# Altium PCB BLDC_DRIVER_auto_router.PcbDoc (part 3 of 3)
Units mil, origin at the board's own origin, x right, y up, seen from the top; angles counter-clockwise.
Board outline 6000 x 4000 mil, 4 copper layers (Top Layer, Signal Layer 1, Signal Layer 2, Bottom Layer), stack 33.334 mil thick; 189 components, 186 nets, 846 pads, 350 vias.
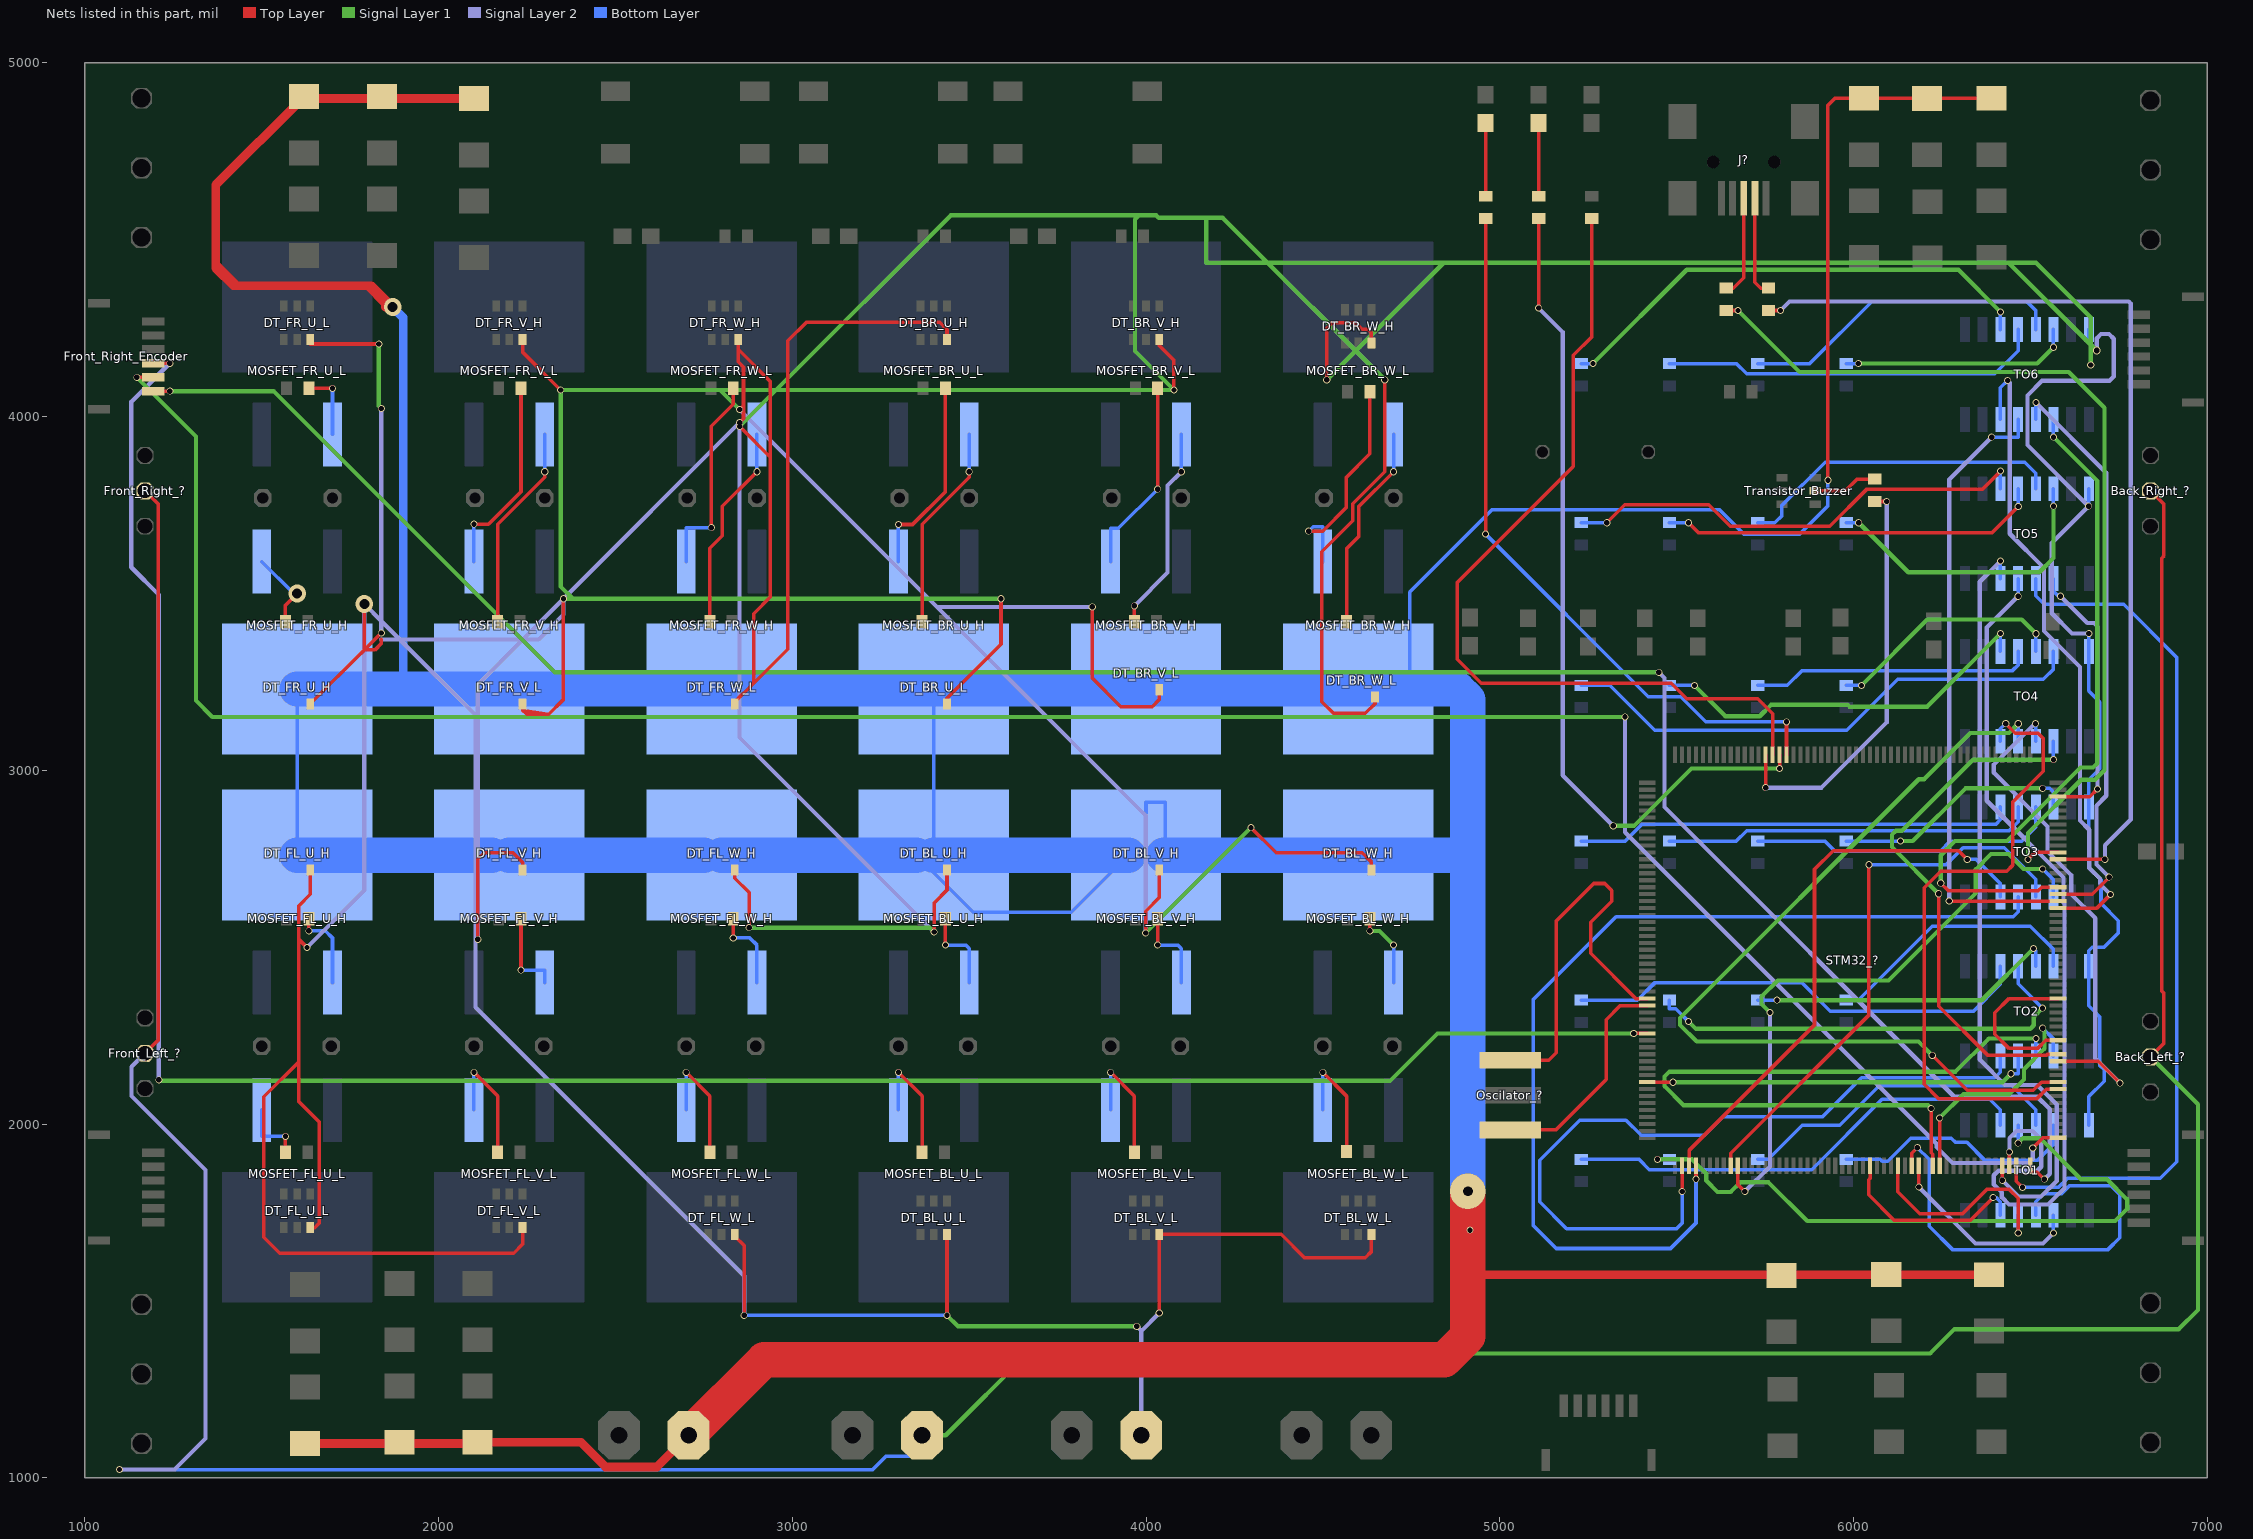
[diagram p5: the nets of this part, all layers, seen from the top]

## Via types
v1: diameter 20, hole 15, Top Layer to Bottom Layer, 335 vias
v2: diameter 100, hole 28, Top Layer to Bottom Layer, 7 vias
v3: diameter 50, hole 28, Top Layer to Bottom Layer, 5 vias
v4: diameter 28, hole 28, Top Layer to Bottom Layer, 3 vias

## Nets (pads, with @x,y where several pads share a name; then routed paths per layer and width w, separated by ;. In a path a pad name is that pad's centre, name@x,y a point inside that pad or via, vN(x,y) a via of type N, cw(c..) or ccw(c..) an arc to the next point about the centre after c; other vN are vias at no path point) (continued)
NetFront_Right_Encoder_4: Front_Right_Encoder.4 STM32_?.37 | length 6414.6
  Top Layer w10: Front_Right_Encoder.4@1193.54,4150.71 v1(1240,4150.71) ; v1(5379,2256) 5379.22,2256.22 STM32_?.37@5417.17,2256.22
  Signal Layer 1 w12: v1(1209,2125) 1212,2122 4690,2122 4824,2256 v1(5379,2256)
  Signal Layer 2 w12: v1(1209,2125) 1209,3496 1131,3574 1131,4041.71 v1(1240,4150.71)
NetFront_Right_Encoder_5: Front_Right_Encoder.5 STM32_?.105 | length 7079
  Top Layer w10: v1(1147,4111) 1147.34,4111.34 Front_Right_Encoder.5@1193.54,4111.34 ; v1(6507,1932) 6535.94,1960.94 STM32_?.105@6578.58,1960.94
  Signal Layer 1 w12: v1(1147,4111) 1314,3944 1314,3197 1360,3151 v1(5354,3151)
  Signal Layer 2 w12: v1(5354,3151) 5354,2825 6235,1944 6235,1935 6280,1890 6495,1890 6507,1902 v1(6507,1932)
NetFront_Right_Encoder_6: Front_Right_Encoder.6 STM32_?.104 | length 6687
  Top Layer w10: Front_Right_Encoder.6@1193.54,4071.97 v1(1240.03,4072) ; STM32_?.104@6499.84,1882.2 6499.84,1864 6520,1864 v1(6540,1844)
  Signal Layer 1 w12: v1(1240.03,4072) 1533.62,4072 2328.62,3277 v1(5450,3277)
  Signal Layer 2 w12: v1(5450,3277) 5466,3261 5466,2896 6285,2077 6520,2077 6555,2042 6555,1859 v1(6540,1844)
NetG_1: G.1 R180_LED_G.2 | length 207
  Top Layer w10: R180_LED_G.2@5110,4623 G.1@5110,4830
NetJ?_2: J?.2 R22_D-.2 | length 283
  Top Layer w10: J?.2@5721.5,4617.44 5721.5,4380 5738.5,4363 R22_D-.2@5760,4363
NetJ?_3: J?.3 R22_D+.2 | length 286.9
  Top Layer w10: R22_D+.2@5640,4363 5660,4363 5690,4393 J?.3@5690,4617.44
NetMOSFET_BL_U_H_G: MOSFET_BL_U_H.G R_BL_U_H.2 | length 241.1
  Top Layer w10: v1(3433,2506) R_BL_U_H.2@3433,2580
  Bottom Layer w10: v1(3433,2506) 3490,2506 3500,2496 MOSFET_BL_U_H.G@3500,2400
NetMOSFET_BL_U_L_G: MOSFET_BL_U_L.G R_BL_U_L.2 | length 359.8
  Top Layer w10: v1(3300,2146) 3367,2079 R_BL_U_L.2@3367,1920
  Bottom Layer w10: MOSFET_BL_U_L.G@3300,2040 v1(3300,2146)
NetMOSFET_BL_V_H_G: MOSFET_BL_V_H.G R_BL_V_H.2 | length 241.1
  Top Layer w10: v1(4033,2506) R_BL_V_H.2@4033,2580
  Bottom Layer w10: v1(4033,2506) 4090,2506 4100,2496 MOSFET_BL_V_H.G@4100,2400
NetMOSFET_BL_V_L_G: MOSFET_BL_V_L.G R_BL_V_L.2 | length 359.8
  Top Layer w10: v1(3900,2146) 3967,2079 R_BL_V_L.2@3967,1920
  Bottom Layer w10: MOSFET_BL_V_L.G@3900,2040 v1(3900,2146)
NetMOSFET_BL_W_H_G: MOSFET_BL_W_H.G R_BL_W_H.2 | length 223.6
  Top Layer w10: v1(4633,2546) R_BL_W_H.2@4633,2580
  Signal Layer 1 w12: v1(4633,2546) 4660,2546 v1(4700,2506)
  Bottom Layer w10: MOSFET_BL_W_H.G@4700,2400 v1(4700,2506)
NetMOSFET_BL_W_L_G: MOSFET_BL_W_L.G R_BL_W_L.2 | length 357.5
  Top Layer w10: v1(4500,2146) 4567,2079 R_BL_W_L.2@4567,1922.28
  Bottom Layer w10: MOSFET_BL_W_L.G@4500,2040 v1(4500,2146)
NetMOSFET_BR_U_H_G: MOSFET_BR_U_H.G R_BR_U_H.2 | length 568.5
  Top Layer w10: v1(3300,3695) 3340,3695 3433,3788 R_BR_U_H.2@3433,4080
  Bottom Layer w10: MOSFET_BR_U_H.G@3300,3590 v1(3300,3695)
NetMOSFET_BR_U_L_G: MOSFET_BR_U_L.G R_BR_U_L.2 | length 585.1
  Top Layer w10: R_BR_U_L.2@3367,3420 3367,3696 3500,3829 v1(3500,3844)
  Bottom Layer w10: v1(3500,3844) MOSFET_BR_U_L.G@3500,3950
NetMOSFET_BR_V_H_G: MOSFET_BR_V_H.G R_BR_V_H.2 | length 558
  Top Layer w10: v1(4033,3795) R_BR_V_H.2@4033,4080
  Bottom Layer w10: MOSFET_BR_V_H.G@3900,3590 3900,3684 3922,3684 v1(4033,3795)
NetMOSFET_BR_V_L_G: MOSFET_BR_V_L.G R_BR_V_L.2 | length 585.1
  Top Layer w10: R_BR_V_L.2@3967,3420 v1(3967,3465)
  Signal Layer 2 w12: v1(3967,3465) 4061,3559 4061,3805 v1(4100,3844)
  Bottom Layer w10: v1(4100,3844) MOSFET_BR_V_L.G@4100,3950
NetMOSFET_BR_W_H_G: MOSFET_BR_W_H.G R_BR_W_H.2 | length 633
  Top Layer w10: v1(4460,3676) 4499.27,3676 4566.15,3742.88 4566.15,3828 4633,3894.85 R_BR_W_H.2@4633,4070
  Bottom Layer w10: v1(4460,3676) 4473,3689 4500,3689 MOSFET_BR_W_H.G@4500,3590
NetMOSFET_BR_W_L_G: MOSFET_BR_W_L.G R_BR_W_L.2 | length 585.1
  Top Layer w10: R_BR_W_L.2@4567,3420 4567,3626.85 4602.15,3662 4602.15,3746.15 v1(4700,3844)
  Bottom Layer w10: v1(4700,3844) MOSFET_BR_W_L.G@4700,3950
NetMOSFET_FL_U_H_G: MOSFET_FL_U_H.G R_FL_U_H.2 | length 235.3
  Top Layer w10: v1(1633,2546) R_FL_U_H.2@1633,2580
  Bottom Layer w10: v1(1633,2546) 1680,2546 1700,2526 MOSFET_FL_U_H.G@1700,2400
NetMOSFET_FL_U_L_G: MOSFET_FL_U_L.G R_FL_U_L.2 | length 187
  Top Layer w10: R_FL_U_L.2@1567,1920 v1(1567,1965)
  Bottom Layer w10: MOSFET_FL_U_L.G@1500,2040 1500,1965 v1(1567,1965)
NetMOSFET_FL_V_H_G: MOSFET_FL_V_H.G R_FL_V_H.2 | length 247
  Top Layer w10: v1(2233,2435) R_FL_V_H.2@2233,2580
  Bottom Layer w10: v1(2233,2435) 2300,2435 MOSFET_FL_V_H.G@2300,2400
NetMOSFET_FL_V_L_G: MOSFET_FL_V_L.G R_FL_V_L.2 | length 359.8
  Top Layer w10: v1(2100,2146) 2167,2079 R_FL_V_L.2@2167,1920
  Bottom Layer w10: MOSFET_FL_V_L.G@2100,2040 v1(2100,2146)
NetMOSFET_FL_W_H_G: MOSFET_FL_W_H.G R_FL_W_H.2 | length 235.3
  Top Layer w10: v1(2833,2526) R_FL_W_H.2@2833,2580
  Bottom Layer w10: v1(2833,2526) 2880,2526 2900,2506 MOSFET_FL_W_H.G@2900,2400
NetMOSFET_FL_W_L_G: MOSFET_FL_W_L.G R_FL_W_L.2 | length 359.8
  Top Layer w10: v1(2700,2146) 2767,2079 R_FL_W_L.2@2767,1920
  Bottom Layer w10: MOSFET_FL_W_L.G@2700,2040 v1(2700,2146)
NetMOSFET_FR_U_H_G: MOSFET_FR_U_H.G R_FR_U_H.2 | length 230.9
  Top Layer w10: R_FR_U_H.2@1567,3420 1567,3467 1573.13,3473.13 v3(1600,3500)
  Bottom Layer w10: MOSFET_FR_U_H.G@1500,3590 1590,3500 v3(1600,3500)
NetMOSFET_FR_U_L_G: MOSFET_FR_U_L.G R_FR_U_L.2 | length 197
  Top Layer w10: R_FR_U_L.2@1633,4080 v1(1700,4080)
  Bottom Layer w10: MOSFET_FR_U_L.G@1700,3950 v1(1700,4080)
NetMOSFET_FR_V_H_G: MOSFET_FR_V_H.G R_FR_V_H.2 | length 569.1
  Top Layer w10: v1(2100,3696) 2141,3696 2233,3788 R_FR_V_H.2@2233,4080
  Bottom Layer w10: MOSFET_FR_V_H.G@2100,3590 v1(2100,3696)
NetMOSFET_FR_V_L_G: MOSFET_FR_V_L.G R_FR_V_L.2 | length 585.1
  Top Layer w10: R_FR_V_L.2@2167,3420 2167,3696 2300,3829 v1(2300,3844)
  Bottom Layer w10: v1(2300,3844) MOSFET_FR_V_L.G@2300,3950
NetMOSFET_FR_W_H_G: MOSFET_FR_W_H.G R_FR_W_H.2 | length 586.7
  Top Layer w10: v1(2771,3686) 2771,3973 2833,4035 R_FR_W_H.2@2833,4080
  Bottom Layer w10: MOSFET_FR_W_H.G@2700,3590 2700,3686 v1(2771,3686)
NetMOSFET_FR_W_L_G: MOSFET_FR_W_L.G R_FR_W_L.2 | length 585.1
  Top Layer w10: R_FR_W_L.2@2767,3420 2767,3627.85 2802.15,3663 2802.15,3746.15 v1(2900,3844)
  Bottom Layer w10: v1(2900,3844) MOSFET_FR_W_L.G@2900,3950
NetOscilator_?_1: Oscilator_?.1 STM32_?.32 | length 1136.3
  Top Layer w10: Oscilator_?.1@5030,2180 5139,2180 5160,2201 5160,2574 5266,2680 5297,2680 5317,2660 5317,2630 5257,2570 5257,2482.65 5385,2354.65 STM32_?.32@5417.17,2354.65
NetOscilator_?_3: Oscilator_?.3 STM32_?.33 | length 631.9
  Top Layer w10: Oscilator_?.3@5030,1983.15 5158.15,1983.15 5301,2126 5301,2294.96 5341,2334.96 STM32_?.33@5417.17,2334.96
NetR22_D+_1: R22_D+.1 STM32_?.146 | length 2666.8
  Top Layer w10: R22_D+.1@5640,4300 v1(5674,4300) ; v1(6493.39,2748) 6513.42,2768.03 STM32_?.146@6578.58,2768.03
  Signal Layer 1 w12: v1(5674,4300) 5848,4126 6609.01,4126 6710,4025.01 6710,3000.33 6682.88,2973.21 6644.21,2973.21 6493.39,2822.39 v1(6493.39,2748)
NetR22_D-_1: R22_D-.1 STM32_?.145 | length 2770.7
  Top Layer w10: R22_D-.1@5760,4300 v1(5794,4300) ; STM32_?.145@6578.58,2748.35 v1(6711,2748.35)
  Signal Layer 2 w12: v1(5794,4300) 5819.29,4325.29 6778.23,4325.29 6784,4319.52 6784,2861 6711,2788 v1(6711,2748.35)
NetR180_LED_B_1: R180_LED_B.1 STM32_?.194 | length 2475.1
  Top Layer w10: R180_LED_B.1@5260,4560 5260,4225 5208,4173 5208,3859 4880,3531 4880,3314 4948,3246 5485,3246 5529,3202 5729.5,3202 5771.5,3160 STM32_?.194@5771.5,3043.62
NetR180_LED_G_1: R180_LED_G.1 STM32_?.193 | length 2380.2
  Top Layer w10: v1(5110,4307) R180_LED_G.1@5110,4560 ; v1(5791,3005) 5791.18,3005.18 STM32_?.193@5791.18,3043.62
  Signal Layer 1 w12: v1(5321,2843) 5380,2843 5542,3005 v1(5791,3005)
  Signal Layer 2 w12: v1(5110,4307) 5178,4239 5178,2986 v1(5321,2843)
NetR180_LED_R_1: R180_LED_R.1 STM32_?.192 | length 2056.2
  Top Layer w10: v1(4960,3668) R180_LED_R.1@4960,4560 ; STM32_?.192@5810.87,3043.62 v1(5810.87,3137)
  Bottom Layer w10: v1(4960,3668) 5420,3208 5512,3208 5583,3137 v1(5810.87,3137)
NetR180_LED_R_2: R180_LED_R.2 R.1 | length 207
  Top Layer w10: R180_LED_R.2@4960,4623 R.1@4960,4830
NetR_DT_BL_U_H_1: R_DT_BL_U_H.1 TO2.13 | length 892
  Signal Layer 1 w12: v1(5784,2350) 6363,2350 v1(6509,2496)
  Bottom Layer w10: R_DT_BL_U_H.1@5730,2350 v1(5784,2350) ; v1(6509,2496) 6515.67,2489.33 TO2.13@6515.67,2446.22
NetR_DT_BL_U_L_1: R_DT_BL_U_L.1 TO3.12 | length 1049.9
  Bottom Layer w10: R_DT_BL_U_L.1@5480,2800 5669,2800 5698,2829 6440,2829 6465.67,2854.67 TO3.12@6465.67,2896.22
NetR_DT_BL_V_H_1: R_DT_BL_V_H.1 TO2.14 | length 747.2
  Bottom Layer w10: R_DT_BL_V_H.1@5980,2350 6014,2350 6223.26,2559.26 6500.41,2559.26 6565.67,2494 TO2.14@6565.67,2446.22
NetR_DT_BL_V_L_1: R_DT_BL_V_L.1 TO3.13 | length 883.3
  Bottom Layer w10: R_DT_BL_V_L.1@5730,2800 5919,2800 5948,2771 6245.19,2771 6273.19,2799 6476,2799 6515.67,2838.67 TO3.13@6515.67,2896.22
NetR_DT_BL_W_H_1: R_DT_BL_W_H.1 TO3.11 | length 1246.7
  Bottom Layer w10: R_DT_BL_W_H.1@5230,2800 5355,2800 5403,2848 6403.67,2848 6415.67,2860 TO3.11@6415.67,2896.22
NetR_DT_BL_W_L_1: R_DT_BL_W_L.1 TO3.14 | length 693.9
  Signal Layer 1 w12: v1(6133,2800) 6167.78,2800 6316.79,2949.01 v1(6535,2949.01)
  Bottom Layer w10: R_DT_BL_W_L.1@5980,2800 v1(6133,2800) ; v1(6535,2949.01) 6555,2949.01 6565.67,2938.34 TO3.14@6565.67,2896.22
NetR_DT_BR_U_H_1: R_DT_BR_U_H.1 TO5.13 | length 930.1
  Bottom Layer w10: R_DT_BR_U_H.1@5730,3700 5778,3700 5798,3720 5798,3749 5920,3871 6484.67,3871 6515.67,3840 TO5.13@6515.67,3796.22
NetR_DT_BR_U_L_1: R_DT_BR_U_L.1 TO6.12 | length 1084.4
  Bottom Layer w10: R_DT_BR_U_L.1@5480,4150 5669,4150 5698,4121 6400,4121 6465.67,4186.67 TO6.12@6465.67,4246.22
NetR_DT_BR_V_H_1: R_DT_BR_V_H.1 TO5.14 | length 856.4
  Signal Layer 1 w12: v1(6015,3700) 6155,3560 6525.67,3560 6565.67,3600 v1(6565.67,3746.66)
  Bottom Layer w10: R_DT_BR_V_H.1@5980,3700 v1(6015,3700) ; v1(6565.67,3746.66) TO5.14@6565.67,3796.22
NetR_DT_BR_V_L_1: R_DT_BR_V_L.1 TO6.13 | length 922.3
  Bottom Layer w10: R_DT_BR_V_L.1@5730,4150 5877,4150 6052,4325 6490.67,4325 6515.67,4300 TO6.13@6515.67,4246.22
NetR_DT_BR_W_H_1: R_DT_BR_W_H.1 TO6.11 | length 1395
  Signal Layer 1 w12: v1(5264,4150) 5529,4415 6297,4415 v1(6416,4296)
  Bottom Layer w10: R_DT_BR_W_H.1@5230,4150 v1(5264,4150) ; TO6.11@6415.67,4246.22 6415.67,4295.67 v1(6416,4296)
NetR_DT_BR_W_L_1: R_DT_BR_W_L.1 TO6.14 | length 655.4
  Signal Layer 1 w12: v1(6014,4150) 6520,4150 v1(6566,4196)
  Bottom Layer w10: R_DT_BR_W_L.1@5980,4150 v1(6014,4150) ; TO6.14@6565.67,4246.22 6565.67,4196.33 v1(6566,4196)
NetR_DT_FL_U_H_1: R_DT_FL_U_H.1 TO1.11 | length 1336.3
  Bottom Layer w10: R_DT_FL_U_H.1@5230,1900 5394,1900 5423,1871 5882,1871 6081,2070 6385.67,2070 6415.67,2040 TO1.11@6415.67,1996.22
NetR_DT_FL_U_L_1: R_DT_FL_U_L.1 TO1.14 | length 713.2
  Bottom Layer w10: R_DT_FL_U_L.1@5980,1900 6076,1900 6081,1895 6097,1895 6162,1960 6276.5,1960 6288.5,1948 6321,1948 6372,1897 6520,1897 6565.67,1942.67 TO1.14@6565.67,1996.22
NetR_DT_FL_V_H_1: R_DT_FL_V_H.1 TO1.12 | length 1946.1
  Signal Layer 1 w12: v1(5446,1900) 5544,1900 5584,1860 5584,1840 5616,1808 5653,1808 5680,1835 5760,1835 5869.57,1725.43 6740,1725.43 6774,1759.43 6774,1787 6717,1844 6643.67,1844 6527.67,1960 6479.67,1960 v1(6465.67,1946)
  Bottom Layer w10: v1(5446,1900) R_DT_FL_V_H.1@5480,1900 ; v1(6465.67,1946) TO1.12@6465.67,1996.22
NetR_DT_FL_V_L_1: R_DT_FL_V_L.1 TO2.11 | length 1322.6
  Bottom Layer w10: R_DT_FL_V_L.1@5230,2350 5389,2350 5439,2400 5854,2400 5935,2319 6339.67,2319 6415.67,2395 TO2.11@6415.67,2446.22
NetR_DT_FL_W_H_1: R_DT_FL_W_H.1 TO1.13 | length 943.8
  Bottom Layer w10: R_DT_FL_W_H.1@5730,1900 5759.02,1900 5855,1995.98 5960.98,1995.98 6073,2108 6447.67,2108 6515.67,2040 TO1.13@6515.67,1996.22
NetR_DT_FL_W_L_1: R_DT_FL_W_L.1 TO2.12 | length 1287.6
  Signal Layer 1 w12: v1(5534,2290) 5555,2269 6500,2269 6510,2279 6510,2303 v1(6534.5,2327.5)
  Bottom Layer w10: R_DT_FL_W_L.1@5480,2350 5480,2326 5498,2326 v1(5534,2290) ; TO2.12@6465.67,2446.22 6465.67,2396.33 v1(6534.5,2327.5)
NetR_DT_FR_U_H_1: R_DT_FR_U_H.1 TO4.11 | length 1123.6
  Signal Layer 1 w12: v1(5551,3240) 5638,3153 5735.35,3153 5767.35,3185 5984,3185 5989,3180 6208.67,3180 v1(6415.67,3387)
  Bottom Layer w10: R_DT_FR_U_H.1@5480,3240 v1(5551,3240) ; TO4.11@6415.67,3336.22 v1(6415.67,3387)
NetR_DT_FR_U_L_1: R_DT_FR_U_L.1 TO4.14 | length 1510.2
  Bottom Layer w10: R_DT_FR_U_L.1@5230,3240 5311,3240 5438,3113 5981,3113 6125,3257 6536.67,3257 6565.67,3286 TO4.14@6565.67,3336.22
NetR_DT_FR_V_H_1: R_DT_FR_V_H.1 TO4.12 | length 798.1
  Bottom Layer w10: R_DT_FR_V_H.1@5730,3240 5813,3240 5855,3282 6450,3282 6465.67,3297.67 TO4.12@6465.67,3336.22
NetR_DT_FR_V_L_1: R_DT_FR_V_L.1 TO5.11 | length 1346.9
  Top Layer w10: v1(5303,3700) 5354,3751 5591,3751 5652,3690 5933,3690 6037,3794 6364,3794 v1(6416,3846)
  Bottom Layer w10: R_DT_FR_V_L.1@5230,3700 v1(5303,3700) ; TO5.11@6415.67,3796.22 6415.67,3845.67 v1(6416,3846)
NetR_DT_FR_W_H_1: R_DT_FR_W_H.1 TO4.13 | length 679.5
  Signal Layer 1 w12: v1(6023,3240) 6209,3426 6476,3426 v1(6516,3386)
  Bottom Layer w10: R_DT_FR_W_H.1@5980,3240 v1(6023,3240) ; TO4.13@6515.67,3336.22 6515.67,3385.67 v1(6516,3386)
NetR_DT_FR_W_L_1: R_DT_FR_W_L.1 TO5.12 | length 1078.6
  Top Layer w10: v1(5534,3700) 5562,3672 6392,3672 v1(6466,3746)
  Bottom Layer w10: R_DT_FR_W_L.1@5480,3700 v1(5534,3700) ; TO5.12@6465.67,3796.22 6465.67,3746.33 v1(6466,3746)
NetR_TRANSISTOR_Buzzer_1: R_TRANSISTOR_Buzzer.1 STM32_?.195 | length 1169.9
  Top Layer w10: STM32_?.195@5751.81,3043.62 5751.81,2951.19 v1(5752,2951) ; R_TRANSISTOR_Buzzer.1@6060,3760 v1(6094,3760)
  Signal Layer 2 w12: v1(5752,2951) 5910,2951 6094,3135 v1(6094,3760)
NetR_TRANSISTOR_Buzzer_2: R_TRANSISTOR_Buzzer.2 Transistor_Buzzer.2 | length 181.5
  Top Layer w10: Transistor_Buzzer.2@5892.2,3790 5977,3790 6010,3823 R_TRANSISTOR_Buzzer.2@6060,3823
NetSTM32_?_44: STM32_?.44 TO2.5 | length 1108.5
  Top Layer w10: STM32_?.44@5417.17,2118.43 5489.57,2118.43 v1(5490,2118)
  Signal Layer 1 w12: v1(5490,2118) 6421.67,2118 v1(6445.67,2142)
  Bottom Layer w10: v1(6445.67,2142) 6465.67,2142 TO2.5@6465.67,2191.89
NetSTM32_?_54: STM32_?.54 TO2.6 | length 2208
  Top Layer w10: STM32_?.54@5515.59,1882.2 5515.59,1809.41 v1(5516,1809)
  Bottom Layer w10: v1(5516,1809) 5516,1720 5500,1704 5189,1704 5113,1780 5113,1898 5226,2011 5357,2011 5400,1968 5579,1968 5632,2021 5913,2021 6023,2131 6400,2131 6415.67,2146.67 TO2.6@6415.67,2191.89
NetSTM32_?_55: STM32_?.55 TO3.6 | length 1609
  Top Layer w10: STM32_?.55@5535.28,1882.2 5535.28,1925 5890,2279.72 5890,2720 5943,2773 6297,2773 v1(6322,2748)
  Bottom Layer w10: v1(6322,2748) 6347.67,2748 6415.67,2680 TO3.6@6415.67,2641.89
NetSTM32_?_56: STM32_?.56 TO3.5 | length 2833.3
  Top Layer w10: STM32_?.56@5554.96,1882.2 v1(5555,1844) v1(5555,1844)
  Bottom Layer w10: v1(5555,1844) 5555,1720 5483,1648 5160,1648 5095,1713 5095,2352 5329,2586 6451.67,2586 6465.67,2600 TO3.5@6465.67,2641.89
NetSTM32_?_61: STM32_?.61 TO3.4 | length 1591.1
  Top Layer w10: STM32_?.61@5653.39,1882.2 5653.39,1917.39 6044,2308 v1(6044,2733)
  Bottom Layer w10: v1(6044,2733) 6262,2733 6310,2781 6426.67,2781 6515.67,2692 TO3.4@6515.67,2641.89
NetSTM32_?_62: STM32_?.62 TO3.3 | length 1782.2
  Top Layer w10: STM32_?.62@5673.07,1882.2 5673.07,1828.93 v1(5693,1809)
  Signal Layer 1 w12: v1(5764,2315) 5740,2339 5740,2360 5786,2406 6099,2406 6346.19,2653.19 6346.19,2720 6389.39,2763.19 6438.81,2763.19 6481,2721 v1(6535,2721)
  Signal Layer 2 w12: v1(5693,1809) 5764,1880 v1(5764,2315)
  Bottom Layer w10: v1(6535,2721) 6565.67,2690.33 TO3.3@6565.67,2641.89
NetSTM32_?_81: STM32_?.81 TO1.6 | length 555.6
  Top Layer w10: STM32_?.81@6047.09,1882.2 6047.09,1846 6043,1841.91 6043,1800 6114.57,1728.43 6331.43,1728.43 v1(6395,1792)
  Bottom Layer w10: v1(6395,1792) 6403.67,1792 6415.67,1780 TO1.6@6415.67,1741.89
NetSTM32_?_85: STM32_?.85 TO1.5 | length 626.6
  Top Layer w10: STM32_?.85@6125.83,1882.2 6125.83,1808.17 6187.57,1746.43 6308.43,1746.43 6377,1815 6441,1815 6466,1790 v1(6466,1692)
  Bottom Layer w10: TO1.5@6465.67,1741.89 6465.67,1692.33 v1(6466,1692)
NetSTM32_?_87: STM32_?.87 TO1.4 | length 1299.8
  Top Layer w10: STM32_?.87@6165.2,1882.2 6165.2,1917.59 v1(6180.8,1933.2)
  Bottom Layer w10: v1(6180.8,1933.2) 6214,1900 6214,1711 6280,1645 6720,1645 6753,1678 6753,1800 6728,1825 6611,1825 6589,1803 6538.67,1803 6515.67,1780 TO1.4@6515.67,1741.89
NetSTM32_?_88: STM32_?.88 TO1.3 | length 570
  Top Layer w10: v1(6184.88,1822) STM32_?.88@6184.88,1882.2
  Signal Layer 2 w12: v1(6184.88,1822) 6344.88,1662 6536,1662 v1(6566,1692)
  Bottom Layer w10: TO1.3@6565.67,1741.89 6565.67,1692.33 v1(6566,1692)
NetSTM32_?_90: STM32_?.90 TO2.4 | length 2115.5
  Top Layer w10: v1(6220,2043.71) 6220,1919 6224.25,1914.75 STM32_?.90@6224.25,1882.2
  Signal Layer 1 w12: v1(6220,2043.71) 6210.71,2053 5520,2053 5466,2107 5466,2134 5480,2148 6289,2148 6383,2242 v1(6516,2242)
  Bottom Layer w10: TO2.4@6515.67,2191.89 6515.67,2241.67 v1(6516,2242)
NetSTM32_?_91: STM32_?.91 TO2.3 | length 680.9
  Top Layer w10: STM32_?.91@6243.94,1882.2 v1(6243.94,2017)
  Signal Layer 1 w12: v1(6243.94,2017) 6310.94,2084 6440,2084 6482,2126 6482,2155 6540,2213 6540,2266 v1(6535,2271)
  Bottom Layer w10: v1(6535,2271) 6565.67,2240.33 TO2.3@6565.67,2191.89
NetSTM32_?_100: STM32_?.100 TO5.6 | length 2204.1
  Top Layer w10: v1(6421.1,1840.6) STM32_?.100@6421.1,1882.2
  Signal Layer 2 w12: v1(6416,3592) 6357.1,3533.1 6357.1,2181.9 6429,2110 6520,2110 6575,2055 6575,1839 6530.67,1794.67 6467.03,1794.67 v1(6421.1,1840.6)
  Bottom Layer w10: TO5.6@6415.67,3541.89 6415.67,3591.67 v1(6416,3592)
NetSTM32_?_101: STM32_?.101 TO5.5 | length 2534
  Top Layer w10: STM32_?.101@6440.79,1882.2 6440.79,1920.79 v1(6441,1921)
  Signal Layer 2 w12: v1(6441,1921) 6441,1960 6461,1980 6507,1980 6531,1956 6531,1879 6520,1868 6410,1868 6397,1855 6397,1829 6419.67,1806.33 6419.67,1793 6440,1772.67 6550.67,1772.67 6597,1819 6597,2622.03 6594.32,2624.71 6594.32,2696.68 6377.1,2913.9 6377.1,3403.43 v1(6465.67,3492)
  Bottom Layer w10: v1(6465.67,3492) TO5.5@6465.67,3541.89
NetSTM32_?_102: STM32_?.102 TO5.4 | length 2479.4
  Top Layer w10: STM32_?.102@6460.47,1882.2 6460.47,1838.53 v1(6478,1821)
  Bottom Layer w10: v1(6478,1821) 6580,1821 6606,1847 6868,1847 6914,1893 6914,3319 6764,3469 6540,3469 6515.67,3493.33 TO5.4@6515.67,3541.89
NetSTM32_?_112: STM32_?.112 TO4.6 | length 1813.4
  Top Layer w10: v1(6430.67,3132) 6457.67,3105 6522,3105 6537,3090 6537,2997 6450.03,2910.03 6450.03,2731.03 6434,2715 6247,2715 6200,2668 6200,2112 6240,2072 6519,2072 6545.74,2098.74 STM32_?.112@6578.58,2098.74
  Bottom Layer w10: TO4.6@6415.67,3081.89 6415.67,3117 v1(6430.67,3132)
NetSTM32_?_113: STM32_?.113 TO4.5 | length 2525.3
  Top Layer w10: v1(6223,2194) 6322,2095 6508.57,2095 6532,2118.43 STM32_?.113@6578.58,2118.43
  Signal Layer 1 w12: v1(6223,2194) 6184,2233 5557,2233 5510,2280 5510,2300 6184.85,2974.85 6200,2974.85 6330.41,3105.26 6439.59,3105.26 v1(6466,3131.67)
  Bottom Layer w10: TO4.5@6465.67,3081.89 6465.67,3131.34 v1(6466,3131.67)
NetSTM32_?_116: STM32_?.116 TO4.4 | length 1465.8
  Top Layer w10: STM32_?.116@6578.58,2177.48 6692.02,2177.48 v1(6754,2115.5)
  Signal Layer 2 w12: v1(6515,3132) 6513,3132 6397.1,3016.1 6397.1,2992.9 6549,2841 6549,2770.29 6615.61,2703.67 6615.61,2649.95 6684,2581.57 6684,2185.5 v1(6754,2115.5)
  Bottom Layer w10: v1(6515,3132) 6515.67,3131.33 TO4.4@6515.67,3081.89
NetSTM32_?_117: STM32_?.117 TO4.3 | length 1531.7
  Top Layer w10: v1(6241,2651) 6241,2333 6379,2195 6546,2195 6548.17,2197.17 STM32_?.117@6578.58,2197.17
  Signal Layer 1 w12: v1(6241,2651) 6109,2783 6109,2818 6120,2829 6137,2829 6338,3030 v1(6565.67,3030)
  Bottom Layer w10: v1(6565.67,3030) TO4.3@6565.67,3081.89
NetSTM32_?_119: STM32_?.119 STM32_?.125 | length 460.9
  Top Layer w10: STM32_?.119@6578.58,2236.54 6543.65,2236.54 6520.65,2213.54 6440,2213.54 6400,2253.54 6400,2314.65 6440,2354.65 STM32_?.125@6578.58,2354.65
NetSTM32_?_138: STM32_?.138 TO6.6 | length 1856.4
  Top Layer w10: STM32_?.138@6578.58,2610.55 6688.55,2610.55 v1(6727,2649)
  Signal Layer 2 w12: v1(6436,4102) 6442,4096 6442,3669 6539,3572 6539,3394 6641,3292 6641,2858 6667,2832 6667,2724 6697,2694 6697,2679 v1(6727,2649)
  Bottom Layer w10: TO6.6@6415.67,3991.89 6415.67,4081.67 v1(6436,4102)
NetSTM32_?_139: STM32_?.139 TO6.5 | length 1793.6
  Top Layer w10: v1(6271,2630.24) STM32_?.139@6578.58,2630.24
  Signal Layer 2 w12: v1(6271,2630.24) 6271,3822 v1(6391,3942)
  Bottom Layer w10: v1(6391,3942) 6465.67,3942 TO6.5@6465.67,3991.89
NetSTM32_?_140: STM32_?.140 TO6.4 | length 1663.6
  Top Layer w10: STM32_?.140@6578.58,2649.92 6675,2649.92 v1(6723,2697.92)
  Signal Layer 2 w12: v1(6516,4040.02) 6715,3841.02 6715,2927.87 6687,2899.87 6687,2733.92 v1(6723,2697.92)
  Bottom Layer w10: TO6.4@6515.67,3991.89 6515.67,4039.69 v1(6516,4040.02)
NetSTM32_?_141: STM32_?.141 TO6.3 | length 1996.9
  Top Layer w10: v1(6247,2681) 6268,2660 6523,2660 6532.61,2669.61 STM32_?.141@6578.58,2669.61
  Signal Layer 1 w12: v1(6247,2681) 6247,2760 6287,2800 6434,2800 6642,3008 6677.67,3008 6689.67,3020 6689.67,3818 v1(6565.67,3942)
  Bottom Layer w10: v1(6565.67,3942) TO6.3@6565.67,3991.89
NetSTM32_?_154: STM32_?.154 TO5.3 | length 781
  Top Layer w10: STM32_?.154@6578.58,2925.51 6668.51,2925.51 v1(6690,2947)
  Signal Layer 2 w12: v1(6585.67,3492) 6661.27,3416.4 6680,3416.4 6690,3406.4 v1(6690,2947)
  Bottom Layer w10: TO5.3@6565.67,3541.89 6565.67,3506.33 6580,3492 v1(6585.67,3492)
VCC_5V: 5V_Supply.2 DT_BL_U_H.6 DT_BL_U_L.6 DT_BL_V_H.6 DT_BL_V_L.6 DT_BL_W_H.6 DT_BL_W_L.6 DT_BR_U_H.6 DT_BR_U_L.6 DT_BR_V_H.6 DT_BR_V_L.6 DT_BR_W_H.6 DT_BR_W_L.6 DT_FL_U_H.6 DT_FL_U_L.6 DT_FL_V_H.6 DT_FL_V_L.6 DT_FL_W_H.6 DT_FL_W_L.6 DT_FR_U_H.6 DT_FR_U_L.6 DT_FR_V_H.6 DT_FR_V_L.6 DT_FR_W_H.6 DT_FR_W_L.6 TO1.16 TO2.16 TO3.16 TO4.16 TO5.16 TO6.16 | length 38506.5
  Top Layer w10: v1(1628,2499) 1604,2523 ; DT_FL_U_L.6@1637.4,1707.72 1637.4,1707 1650,1707 1662,1719 1662,2006 1604,2064 1604,2175 ; DT_FL_U_H.6@1637.4,2717.72 1637.4,2649.4 1604,2616 1604,2523 ; DT_FR_U_H.6@1637.4,3187.72 1790,3340.31 ; DT_FR_U_L.6@1637.4,4217.72 1637.4,4205.27 v1(1831,4205.27) ; v3(1790,3470) 1790,3340.31 ; 1838,3370 1838,3358.31 1820,3340.31 1790,3340.31 ; v1(1838,3388.31) 1790,3340.31 ; v1(2111,2522) 2111,2749 2129,2767 2210.4,2767 2237.4,2740 DT_FL_V_H.6@2237.4,2717.72 ; DT_FL_V_L.6@2237.4,1707.72 2237.4,1660 2212.4,1635 1551,1635 1506,1680 1506,2077 1604,2175 ; DT_FR_V_L.6@2237.4,3187.72 2237.4,3170 ; DT_FR_V_H.6@2237.4,4217.72 2237.4,4182.6 v1(2345,4075) ; v1(2353,3485) 2353,3200 2311,3158 ; DT_FL_W_L.6@2837.4,1687.72 2837.4,1683 2864,1656.4 v1(2864,1459) ; DT_FL_W_H.6@2837.4,2717.72 2837.4,2695 2878,2654.4 v1(2878,2555) ; DT_FR_W_L.6@2837.4,3187.72 2837.4,3193 2891,3246.6 ; DT_FR_W_H.6@2847.4,4217.72 2847.4,4190 ; v1(2851,3972) 2938,3885 ; v1(2851,3983) 2862,3994 2862,4020 2862,4031 ; v1(2851,4020) 2862,4031 ; v1(3401,2543) 3401,2625 3437.4,2661.4 DT_BL_U_H.6@3437.4,2717.72 ; v1(3437.4,1459) DT_BL_U_L.6@3437.4,1687.72 ; DT_BR_U_L.6@3437.4,3187.72 3437.4,3204 3590,3356.6 v1(3590,3485) ; DT_BR_U_H.6@3437.4,4217.72 3437.4,4246 3416.4,4267 3040,4267 2987,4214 2987,3342.6 2891,3246.6 ; v1(3848,3462) 3848,3261 3929,3180 4017.4,3180 4037.4,3200 DT_BR_V_L.6@4037.4,3227.72 ; v1(3999,2540) 3999,2602 4037.4,2640.4 DT_BL_V_H.6@4037.4,2717.72 ; v1(4037.4,1465.53) DT_BL_V_L.6@4037.4,1687.72 4037.4,1688 4382,1688 4448,1622 4620,1622 4637.4,1639.4 DT_BL_W_L.6@4637.4,1687.72 ; DT_BR_V_H.6@4037.4,4217.72 4037.4,4201 ; v1(4079,4075) 4079,4159 ; v1(4297,2838) 4368,2767 4611,2767 4637.4,2740.6 DT_BL_W_H.6@4637.4,2717.72 ; v1(4511,4104) 4511,4250 4527,4266 4592.38,4266 4610.96,4247.42 4626.98,4247.42 4637.4,4237 DT_BR_W_H.6@4637.4,4207.72 ; DT_BR_W_L.6@4647.4,3207.72 4647.4,3188.4 4619.97,3160.97 4530.03,3160.97 4497,3194 4497,3618 4584.15,3705.15 4584.15,3753.61 4675,3844.46 v1(4675,4104) ; 1604,2175 1604,2523 ; 2237.4,3170 2311,3158 ; 2237.4,3170 2249.4,3158 2311,3158 ; 2847.4,4190 2847.4,4154.6 2862,4140 2862,4031 ; 2847.4,4190 2938,4099.4 2938,3885 ; 2891,3246.6 2891,3443 2938,3490 2938,3885 ; 4037.4,4201 4037.4,4200.6 4079,4159 ; 4037.4,4201 4079,4159.4 4079,4159
  Signal Layer 1 w12: v1(1831,4205.27) 1831,4030 v1(1838,4023) ; v1(2353,3485) 2380,3485 ; v1(2851,3972) 2954,4075 ; v1(2851,4020) 2796,4075 ; v1(2878,2555) 3389,2555 v1(3401,2543) ; v1(3437.4,1459) 3468.4,1428 v1(3973.83,1428) ; v1(3590,3485) 2380,3485 ; v1(3999,2540) v1(4297,2838) ; v1(4511,4104) 4593,4186 ; v1(4675,4104) 4593,4186 ; v1(6671,4146) 6671,4203 ; v1(6688,4186) 6671,4203 ; 2380,3485 2345,3520 v1(2345,4075) 2796,4075 ; 2796,4075 2954,4075 ; 2954,4075 3448,4569 3980,4569 ; 2954,4075 v1(4079,4075) 3969,4185 3969,4558 3980,4569 ; 3980,4569 4029,4569 4036,4562 4170,4562 ; 4170,4562 4217,4562 4344,4435 ; 4170,4562 4170,4435 4344,4435 ; 4344,4435 4842,4435 ; 4344,4435 4593,4186 ; 4593,4186 4842,4435 ; 4842,4435 6439,4435 ; 6439,4435 6516,4435 6671,4280 6671,4203 ; 6439,4435 6671,4203
  Signal Layer 2 w12: v1(1628,2499) 1790,2661 v3(1790,3470) 1838,3422 ; 1838,3370 1890,3370 ; v1(1838,3388.31) 1838,3422 ; v1(1838,4023) 1838,3422 ; v1(2111,2522) 2111,3243 2238,3370 ; v1(2851,4020) 3409,3462 ; v1(2864,1459) 2864,1570 2104,2330 2104,3156 1890,3370 ; v1(3401,2543) 2851,3093 v1(2851,3972) v1(2851,3983) v1(2353,3485) ; v1(3848,3462) 3409,3462 ; v1(3973.83,1428) 3986.85,1414.98 ; 5V_Supply.2@3986.85,1120 3986.85,1414.98 ; v1(3999,2540) 3999,2872 3409,3462 ; v1(4037.4,1465.53) 3986.85,1414.98 ; v1(6665.67,3387) 6618,3387 6561,3444 6561,3642.67 v1(6665,3746.67) 6492,3919.67 6492,4060 6533.52,4101.52 6723.91,4101.52 6736,4113.61 6736,4220 6722.71,4233.29 6700,4233.29 6688,4221.29 v1(6688,4188) ; 1838,3422 1890,3370 ; 1890,3370 2238,3370 ; 2238,3370 v1(2353,3485) ; 2238,3370 2283,3370 2353,3440 v1(2353,3485)
  Bottom Layer w10: v1(2864,1459) v1(3437.4,1459) ; v1(6665,3746.67) 6665.67,3747.34 TO5.16@6665.67,3796.22 ; TO1.16@6665.67,1996.22 6665.67,2077.67 6709,2121 6709,2153 6697,2165 6697,2302.67 6665.67,2334 TO2.16@6665.67,2446.22 6665.67,2490 6675.67,2500 6708.67,2500 6748.67,2540 6748.67,2575 6700,2623.67 6700,2690.67 6665.67,2725 TO3.16@6665.67,2896.22 6665.67,2973 6697,3004.33 6697,3193 6665.67,3224.33 TO4.16@6665.67,3336.22 v1(6665.67,3387) ; v1(6671,4146) 6671,4203 ; v1(6688,4186) 6671,4203 ; v1(6688,4188) 6671,4205 ; 6665.67,4210.33 6665.67,4208.33 6671,4203 ; 6665.67,4210.33 6671,4205 ; 6665.67,4210.33 TO6.16@6665.67,4246.22 6671,4246.22 6671,4205 ; 6671,4203 6671,4205
VCC_MOTOR: MOSFET_BL_U_H.D MOSFET_BL_V_H.D MOSFET_BL_W_H.D MOSFET_BR_U_H.D MOSFET_BR_V_H.D MOSFET_BR_W_H.D MOSFET_FL_U_H.D MOSFET_FL_V_H.D MOSFET_FL_W_H.D MOSFET_FR_U_H.D MOSFET_FR_V_H.D MOSFET_FR_W_H.D MOTOR_Supply.2 Schottky_diode_BL_U_H.2 Schottky_diode_BL_V_H.2 Schottky_diode_BL_W_H.2 Schottky_diode_BR_U_H.2 Schottky_diode_BR_V_H.2 Schottky_diode_BR_W_H.2 Schottky_diode_FL_U_H.2 Schottky_diode_FL_V_H.2 Schottky_diode_FL_W_H.2 Schottky_diode_FR_U_H.2 Schottky_diode_FR_V_H.2 Schottky_diode_FR_W_H.2 | length 24895.7
  Top Layer w10: Schottky_diode_FR_U_H.2@1620,4905 Schottky_diode_FR_V_H.2@1840,4905 ; Schottky_diode_FR_U_H.2@1625.55,4899.45 1370,4643.9 1370,4440 1440,4370 1790,4370 v3@1850,4310 ; Schottky_diode_FL_V_H.2@1890,1100 Schottky_diode_FL_W_H.2@2110,1100 ; 4916.15,1573.85 v1(4916.15,1699.85) ; Schottky_diode_BL_U_H.2@5796.38,1571.93 5943,1571.93 5945.71,1574.64 Schottky_diode_BL_V_H.2@6092.91,1574.64 ; v1(5928,3820) 5928,4880 5948,4900 Schottky_diode_BR_U_H.2@6030,4900 6119.51,4899.49 Schottky_diode_BR_V_H.2@6208.19,4899.49 6298,4899.49 6298.51,4900 Schottky_diode_BR_W_H.2@6390,4900
  Top Layer w25: Schottky_diode_FR_U_H.2@1620,4905 1370,4655 1370,4420 1420,4370 1810,4370 v3(1870,4310) v3@1850,4310 ; Schottky_diode_FL_U_H.2@1622.13,1096.57 2106.57,1096.57 Schottky_diode_FL_W_H.2@2110,1100 2402.58,1100 2471.98,1030.6 2617.45,1030.6 MOTOR_Supply.2@2706.85,1120 ; Schottky_diode_FR_U_H.2@1625.55,4899.45 Schottky_diode_FR_W_H.2@2100,4899.45 ; 4916.15,1573.85 Schottky_diode_BL_W_H.2@6383.89,1573.85 Schottky_diode_BL_V_H.2@6092.91,1573.85
  Top Layer w100: MOTOR_Supply.2@2706.85,1120 2920,1333.15 4843.15,1333.15 4910,1400 v2(4910,1810)
  Bottom Layer w10: MOSFET_FL_U_H.D@1590.24,2770 1600,2779.76 MOSFET_FR_U_H.D@1600,3229.76 ; MOSFET_FL_V_H.D@2150,2760.24 MOSFET_FL_V_H.D@2200,2760.24 ; MOSFET_BL_U_H.D@3350,2760.24 3511.24,2599 3788.76,2599 MOSFET_BL_V_H.D@3950,2760.24 ; MOSFET_BL_U_H.D@3400,2760.24 MOSFET_BR_U_H.D@3400,3229.76 ; MOSFET_BL_V_H.D@4000,2760.24 4000,2910 4054,2910 4054,2760.24 MOSFET_BL_V_H.D@4050,2760.24 ; MOSFET_BL_W_H.D@4600,2760.24 4869.76,2760.24 4870,2760 4916.15,2713.85 v1(4916.15,1699.85) ; MOSFET_BR_W_H.D@4600,3229.76 4746,3229.76 4746,3504 4978,3736 5622,3736 5690,3668 5848,3668 5928,3748 v1(5928,3820)
  Bottom Layer w25: MOSFET_FL_U_H.D@1590.24,2770 MOSFET_FL_U_H.D@1600,2760.24 ; v3(1870,4310) 1900,4280 1900,3229.76
  Bottom Layer w100: MOSFET_FL_U_H.D@1600,2760.24 MOSFET_FL_V_H.D@2150,2760.24 ; MOSFET_FR_U_H.D@1600,3229.76 1900,3229.76 MOSFET_FR_V_H.D@2200,3229.76 MOSFET_FR_W_H.D@2800,3229.76 MOSFET_BR_U_H.D@3400,3229.76 MOSFET_BR_V_H.D@4000,3229.76 MOSFET_BR_W_H.D@4600,3229.76 4879.76,3229.76 4910,3199.53 4910,2760 ; MOSFET_FL_V_H.D@2200,2760.24 MOSFET_FL_W_H.D@2750,2760.24 ; MOSFET_FL_W_H.D@2800,2760.24 MOSFET_BL_U_H.D@3350,2760.24 ; MOSFET_BL_U_H.D@3400,2760.24 MOSFET_BL_V_H.D@3950,2760.24 ; MOSFET_BL_V_H.D@4050,2760.24 MOSFET_BL_W_H.D@4600,2760.24 4600.24,2760 4910,2760 ; v2(4910,1810) 4910,2760
VCC_SERVO: Back_Left_?.2 Back_Right_?.2 Front_Left_?.2 Front_Right_?.2 Servo_Supply.2 | length 11598.2
  Top Layer w10: Front_Left_?.2@1170,2200 1208,2238 1208,3752 Front_Right_?.2@1170,3790 ; Back_Left_?.2@6840,2190 6878,2228 6878,2370 6872,2376 6872,3600 6878,3606 6878,3752 Back_Right_?.2@6840,3790
  Signal Layer 1 w12: Servo_Supply.2@3366.85,1120 3434,1120 3665,1351 6217,1351 6286,1420 6920,1420 6974,1474 6974,2056 Back_Left_?.2@6840,2190
  Signal Layer 2 w12: v1(1098,1023) 1253,1023 1341,1111 1341,1870 1131.98,2079.02 1131.98,2161.98 Front_Left_?.2@1170,2200
  Bottom Layer w10: v1(1098,1023) 3227,1023 3264,1060 3366.85,1060 Servo_Supply.2@3366.85,1120
pads on no net: ANYFC_F7.7 ANYFC_F7.8 Back_Left_Encoder.7 Back_Left_Encoder.8 Back_Right_Encoder.7 Back_Right_Encoder.8 Front_Left_Encoder.7 Front_Left_Encoder.8 Front_Right_Encoder.7 Front_Right_Encoder.8 J?.1 J?.4 J?.MH1 J?.MH2 J?.Shell STM32_?.2 STM32_?.7 STM32_?.8 STM32_?.9 STM32_?.10 STM32_?.11 STM32_?.12 STM32_?.13 STM32_?.16 STM32_?.17 STM32_?.18 STM32_?.19 STM32_?.20 STM32_?.21 STM32_?.22 STM32_?.23 STM32_?.24 STM32_?.31 STM32_?.35 STM32_?.38 STM32_?.43 STM32_?.46 STM32_?.47 STM32_?.49 STM32_?.57 STM32_?.58 STM32_?.64 STM32_?.65 STM32_?.66 STM32_?.67 STM32_?.68 STM32_?.69 STM32_?.70 STM32_?.71 STM32_?.74 STM32_?.75 STM32_?.76 STM32_?.77 STM32_?.78 STM32_?.79 STM32_?.80 STM32_?.84 STM32_?.86 STM32_?.89 STM32_?.95 STM32_?.97 STM32_?.98 STM32_?.106 STM32_?.107 STM32_?.108 STM32_?.109 STM32_?.110 STM32_?.111 STM32_?.120 STM32_?.121 STM32_?.123 STM32_?.124 STM32_?.126 STM32_?.127 STM32_?.129 STM32_?.130 STM32_?.131 STM32_?.132 STM32_?.133 STM32_?.134 STM32_?.135 STM32_?.142 STM32_?.143 STM32_?.144 STM32_?.147 STM32_?.151 STM32_?.152 STM32_?.153 STM32_?.155 STM32_?.156 STM32_?.157 STM32_?.159 STM32_?.163 STM32_?.164 STM32_?.165 STM32_?.166 STM32_?.167 STM32_?.168 STM32_?.169 STM32_?.172 STM32_?.174 STM32_?.175 STM32_?.176 STM32_?.177 STM32_?.179 STM32_?.181 STM32_?.182 STM32_?.183 STM32_?.186 STM32_?.187 STM32_?.188 STM32_?.189 STM32_?.190 STM32_?.191 STM32_?.196 STM32_?.198 STM32_?.199 STM32_?.200 STM32_?.201 STM32_?.203 STM32_?.205 STM32_?.206 STM32_?.207 STM32_?.208 TO1.7 TO1.10 TO2.7 TO2.10 TO3.7 TO3.10 TO4.7 TO4.10 TO5.7 TO5.10 TO6.7 TO6.10 Transistor_Buzzer.3 Transistor_Buzzer.4 Transistor_Buzzer.5

## Silkscreen, mask and mechanical layers (free items; w line width, h text height)
Top Overlay:
  text "PW" at 5090,5670 h160 r270
  text "Designed by" at 3830,5530 h60
  text "Marek Knosala" at 3990,5230 h60
  text "Y" at 1430,4860 h60
  text "Y" at 6530,4860 h60
  text "MK_ESC ver 1.0" at 4070,4850 h60
  text "R" at 6540,4470 h60
  text "R" at 1430,4460 h60
  text "R22" at 5620,4430 h60
  text "C" at 2530,4380 h60
  text "R" at 2830,4380 h60
  text "C" at 3100,4370 h60
  text "R" at 3390,4370 h60
  text "C" at 3660,4370 h60
  text "R" at 3950,4370 h60
  text "BR" at 6560,4300 h60
  text "FR" at 1330,4280 h60
  text "PNP_Buzzer" at 5660,3890 h60
  text "-" at 1240,3870 h60
  text "S" at 6740,3870 h60
  text "+" at 1240,3770 h60
  text "+" at 6740,3760 h60
  text "R10k" at 6140,3750 h60
  text "S" at 1240,3660 h60
  text "-" at 6740,3660 h60
  text "2u2F" at 6460,3200 h60
  text "10nF" at 5800,3190 h60
  text "10uF" at 6130,3190 h60
  text "100nF" at 5100,3180 h60
  text "KNR" at 7620,3060 h160 r300
  text "MEiL" at 6930,2960 h120 r90
  text "Selfie v5" at 2430,2940 h130
  text "2u2F / ESR" at 6740,2520 h60
  text "Warszawska" at 1320,2480 h100 r90
  text "Politechnika" at 1170,2430 h100 r90
  text "-" at 1230,2280 h60
  text "S" at 6740,2270 h60
  text "+" at 1230,2180 h60
  text "+" at 6740,2160 h60
  text "S" at 1230,2070 h60
  text "-" at 6740,2060 h60
  text "BL" at 6570,1650 h60
  text "FL" at 1330,1640 h60
  text "Y" at 6530,1470 h60
  text "Y" at 1430,1460 h60
  text "5-7V" at 3030,1330 h60
  text "16V / MOTOR" at 2290,1220 h60
  text "SERVO" at 2990,1220 h60
  text "5V / MOSFET" at 3620,1220 h60
  text "3V3 / STM32" at 4330,1220 h60
  text "R" at 6530,1070 h60
  text "R" at 1430,1060 h60
Bottom Overlay:
  text "R_PNP_NPN" at 5380,3020 h60 r180
  text "Mosfets" at 4720,2800 h60 r270
  text "Opto-isolators" at 6830,2610 h60 r270